# Altium PCB STM32F103_DEV.PcbDoc
Units mm, origin at the board's own origin, x right, y up, seen from the top; angles counter-clockwise.
Board outline 87.1 x 86.1 mm, 2 copper layers (Top Layer, Bottom Layer); 127 components, 89 nets, 421 pads, 136 vias.
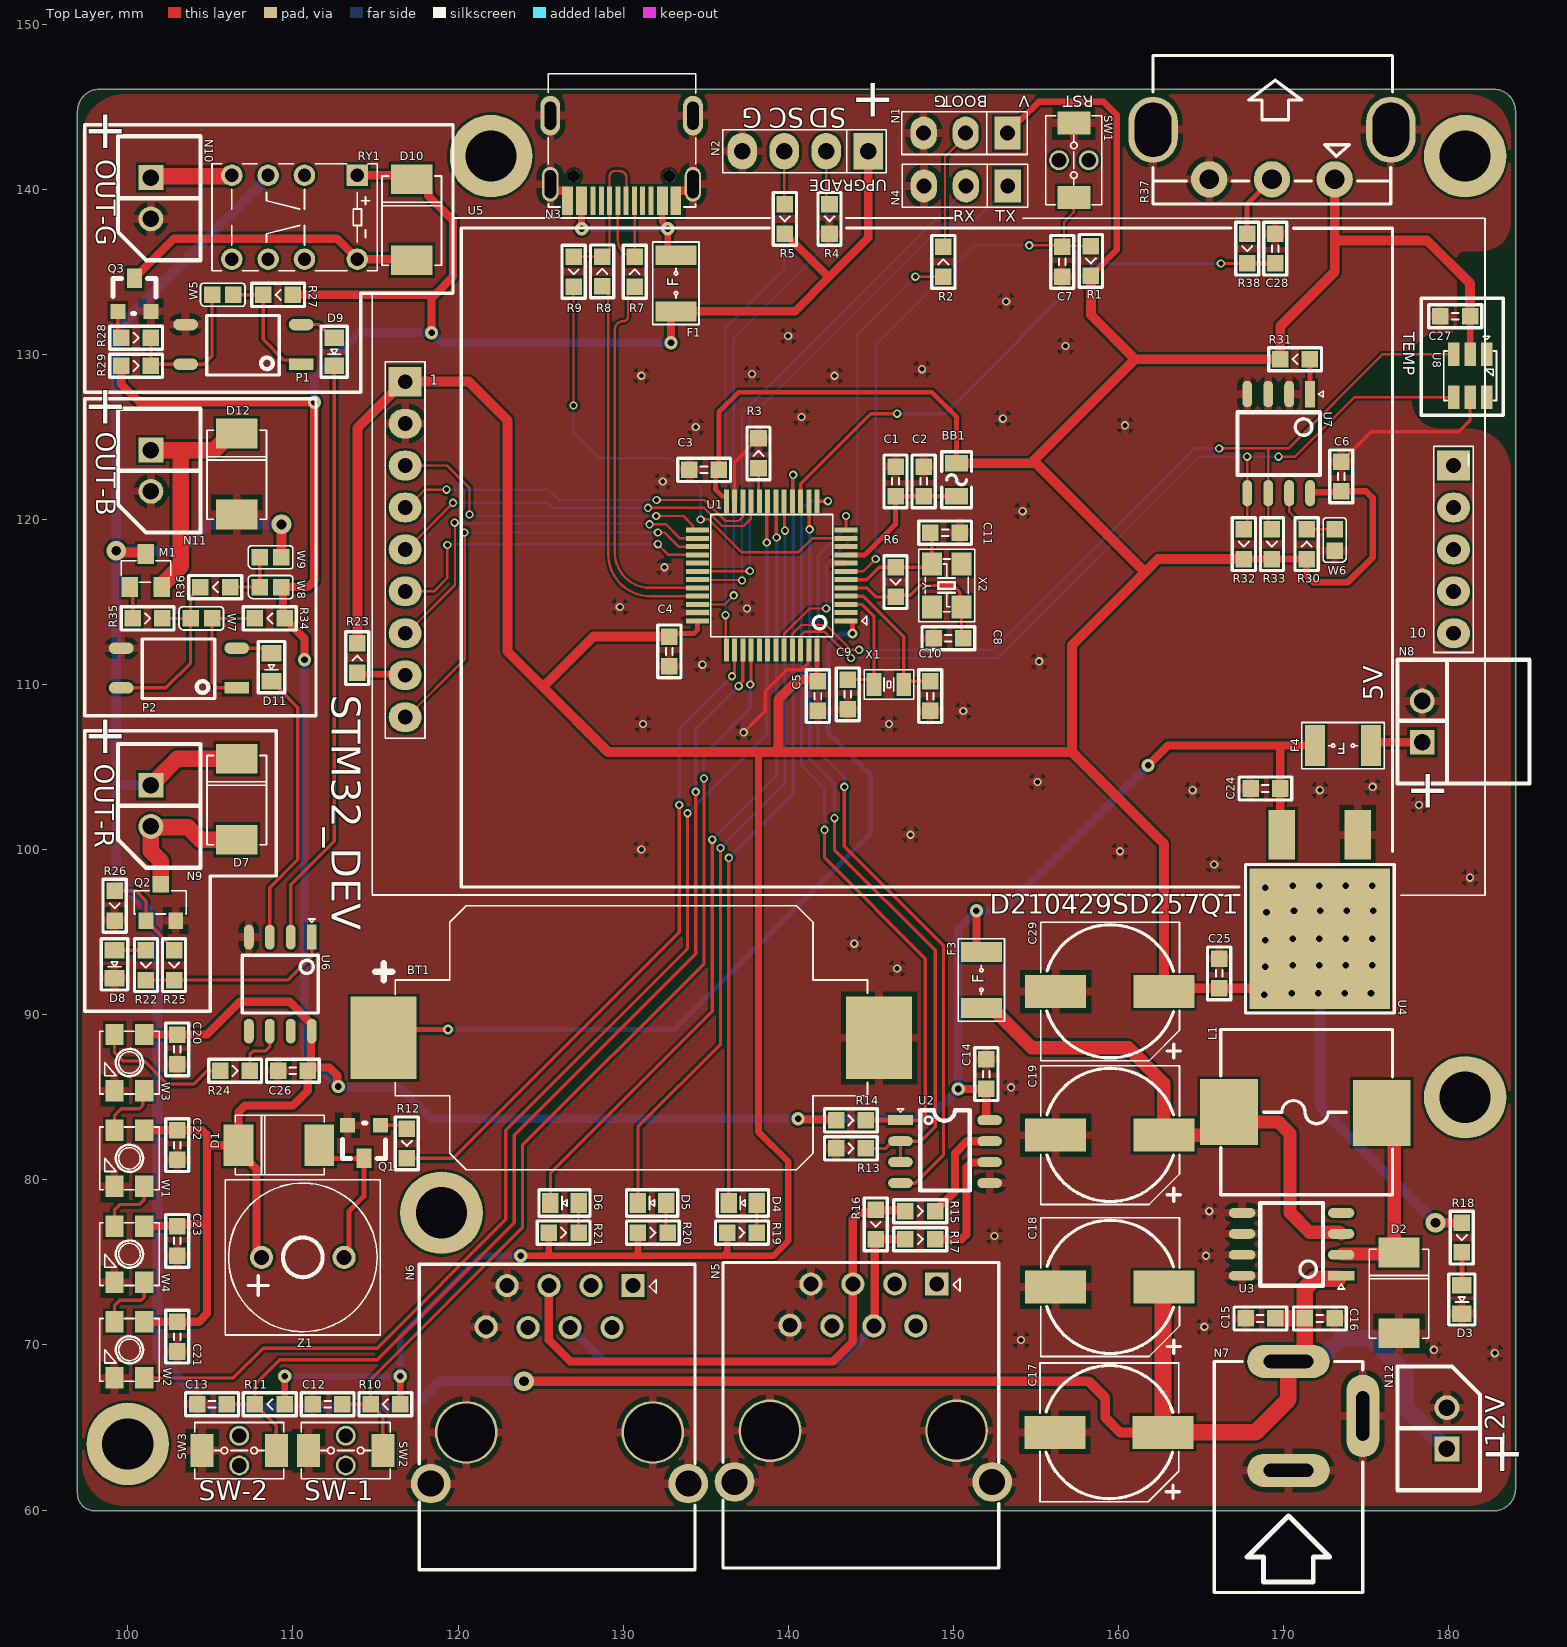
[diagram p0: Top Layer view]
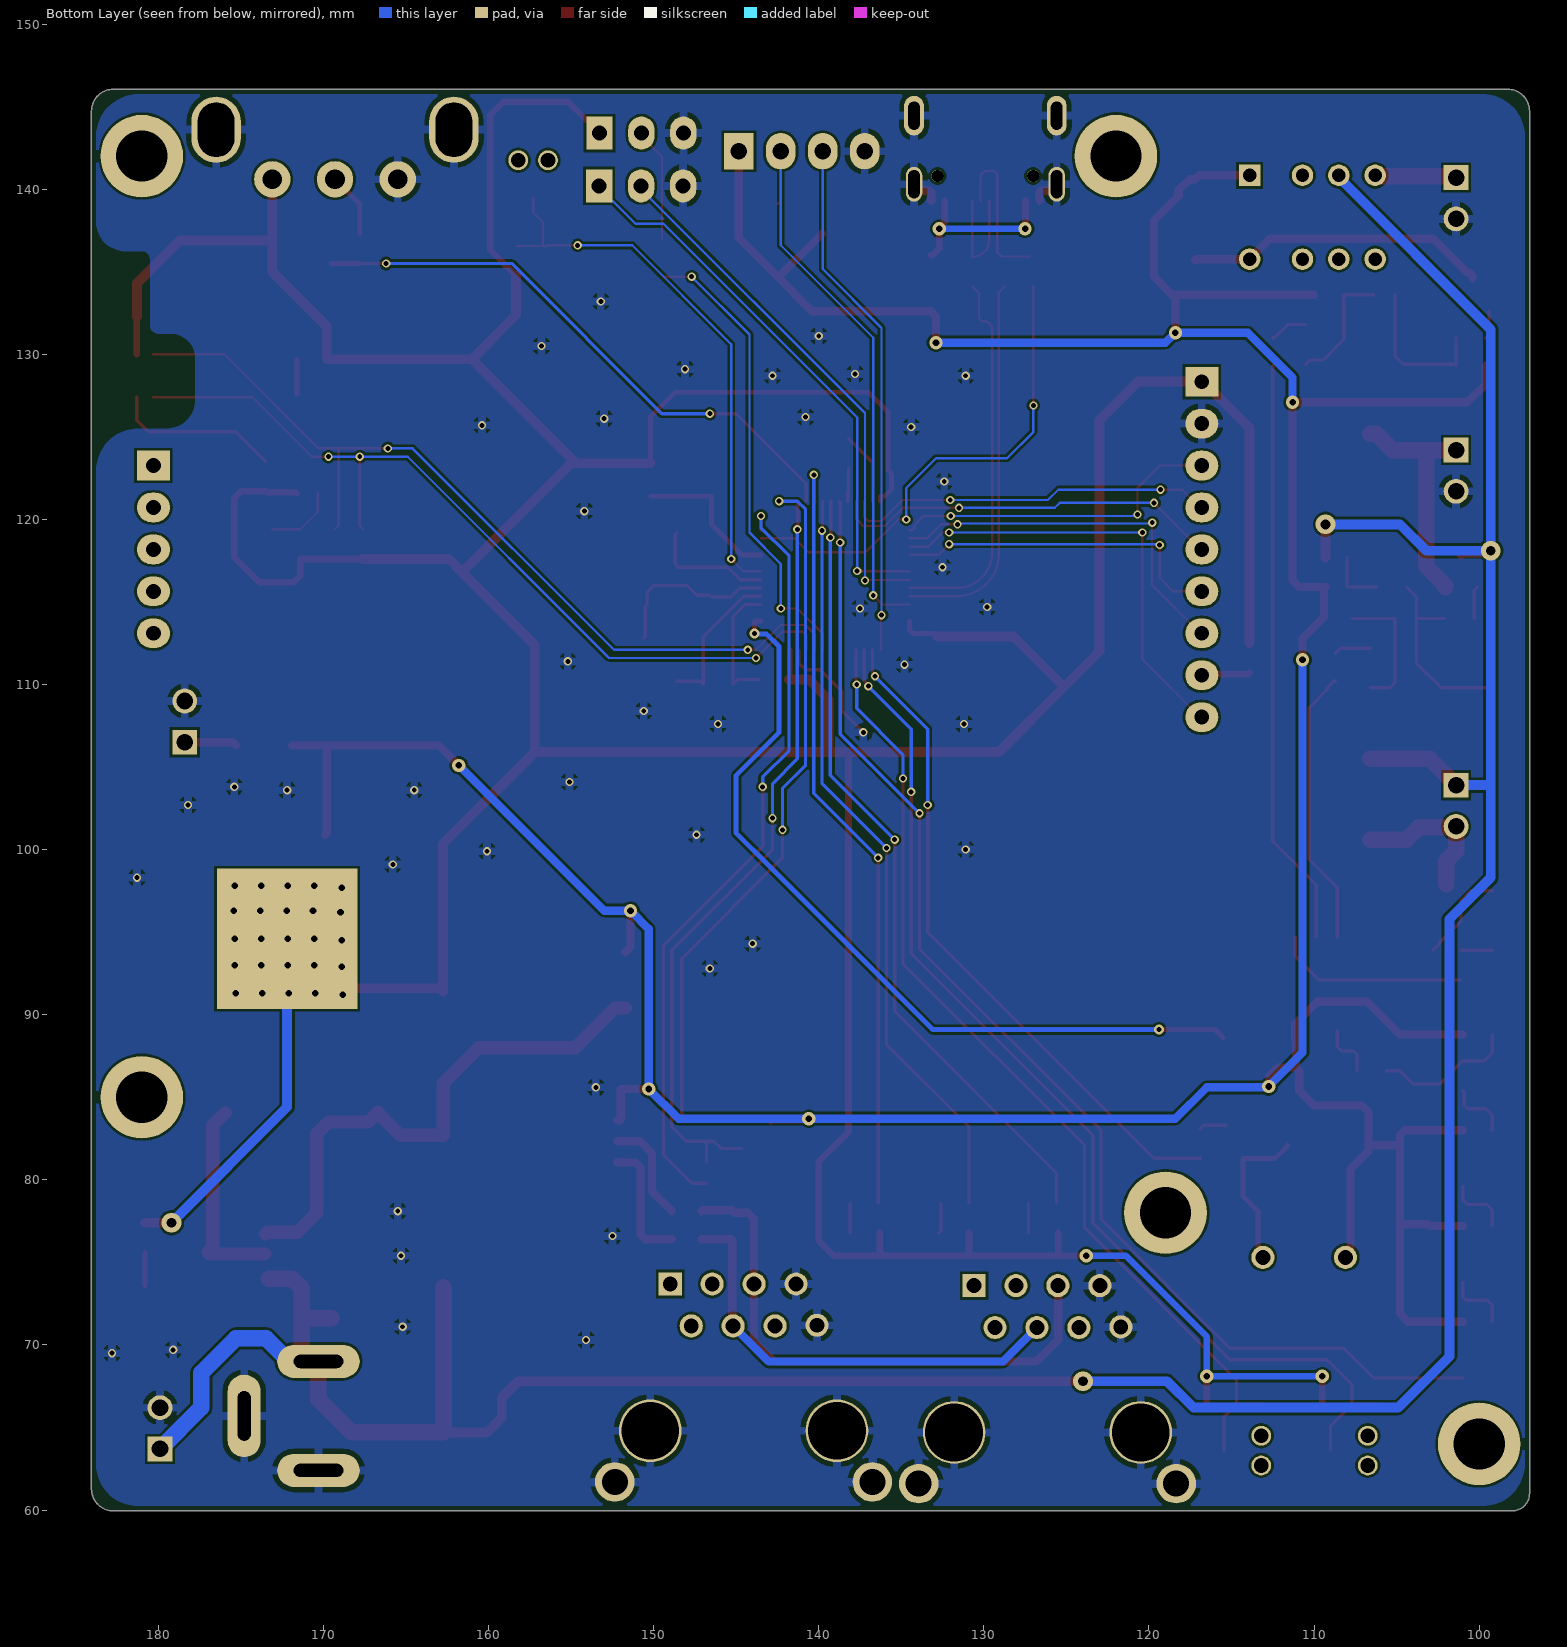
[diagram p1: Bottom Layer view, seen from below]
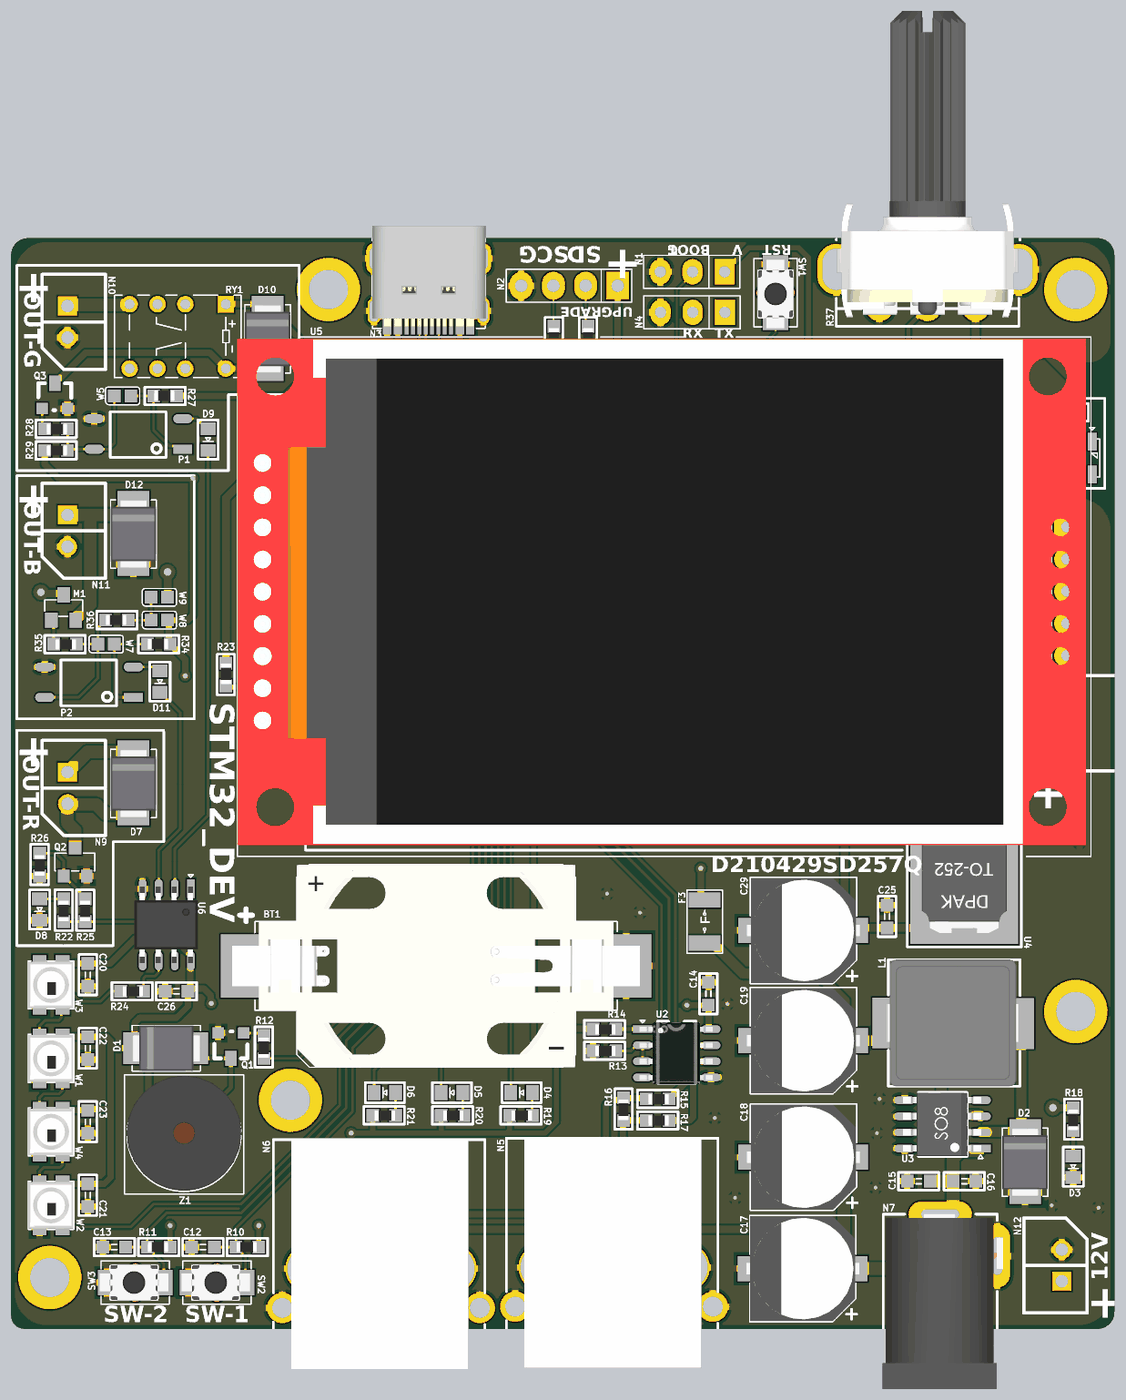
[diagram p2: 3D render of the assembled board from above, using the file's embedded part models]

## Layer stack, top to bottom
Top Solder: solder mask 0.0102, Solder Resist, Dk 3.5
Top Layer: signal copper 0.0356
Dielectric 1: dielectric 0.32, FR-4, Dk 4.8
Bottom Layer: signal copper 0.0356
Bottom Solder: solder mask 0.0102, Solder Resist, Dk 3.5

## Board outline
96.95,61 ccw(c98,61) 98,59.95 182.73,59.95 ccw(c182.73,61.27) 184.05,61.27 184.05,144.73 ccw(c182.73,144.73) 182.73,146.05 98.27,146.05 ccw(c98.27,144.73) 96.95,144.73

## Design rules (kind name [scope] priority, off if disabled: settings)
Clearance [All] p1: gap=0.15 ignorepadtopadclearanceinfootprint=FALSE
HoleSize [All] p1: absolutevalues=TRUE maxlimit=9 minlimit=0.025 maxpercent=80.000 minpercent=20.000
HoleToHoleClearance [All] p1: gap=0 allowstackedmicrovias=TRUE
MinimumSolderMaskSliver [All] p1: minsoldermaskwidth=0
PolygonConnect [All] p1: connectstyle=Relief reliefconductorwidth=0.5 reliefentries=4 polygonreliefangle="90 Angle" airgapwidth=0.3
RoutingVias [All] p1: holewidth=0.711 width=1.27 viastyle="Through Hole" minholewidth=0 minwidth=0 maxholewidth=9 maxwidth=9
SilkToSilkClearance [All] p1: silktosilkclearance=0
SilkToSolderMaskClearance [IsPad] p1: minsilkscreentomaskgap=0 clearancetoexposedcopper=TRUE
SolderMaskExpansion [All] p1: expansion=0.102 istentingtop=FALSE
Width [All] p1: maxlimit=5 minlimit=0.1 preferedwidth=0.254
25 further rules are at their usual default settings.

## Classes and differential pairs
component class Other: C26 C27 C28 D7 D8 D9 D10 D11 D12 M1 N9 N10 N11 P1 P2 Q2 Q3 R22 R23 R24 R25 R26 R27 R28 R29 R30 R31 R32 R33 R34 R35 R36 R37 R38 RY1 U5 U6 U7 U8 W5 W6 W7 W8 W9
component class main: BB1 BT1 C1 C2 C3 C4 C5 C6 C7 C8 C9 C10 C11 C12 C13 C14 C15 C16 C17 C18 C19 C20 C21 C22 C23 C24 C25 C29 D1 D2 D3 D4 D5 D6 F1 F3 F4 L1 N1 N2 N3 N4 N5 N6 N7 N8 N12 Q1 R1 R2 R3 R4 R5 R6 R7 R8 R9 R10 R11 R12 R13 R14 R15 R16 R17 R18 R19 R20 R21 SW1 SW2 SW3 U1 U2 U3 U4 W1 W2 W3 W4 X1 X2 Z1

## Components (designator, comment, footprint, x,y, rotation, side; value= is the part's Value field where it differs from the comment)
BB1 "BEAD" 2012-L 150.2,122.4 r0 top
BT1 "Battery" CR2032_SMD 130.5,88.6 r180 top locked
C1 "Chip Capacitor" 1608-C 146.5,121.4 r180 top
C2 "Chip Capacitor" 1608-C 148.2,123.2 r0 top
C3 "Chip Capacitor" 1608-C 135.8,123 r270 top
C4 "Chip Capacitor" 1608-C 132.8,112.9 r0 top
C5 "Chip Capacitor" 1608-C 141.8,110.2 r0 top
C6 "Chip Capacitor" 1608-C 173.5,123.5 r0 top
C7 "Chip Capacitor" 1608-C 156.6,136.5 r0 top
C8 "Chip Capacitor" 1608-C 150.6,112.8 r270 top
C9 "Chip Capacitor" 1608-C 143.6,108.5 r180 top
C10 "Chip Capacitor" 1608-C 148.6,108.4 r180 top
C11 "Chip Capacitor" 1608-C 148.6,119.2 r90 top
C12 "Chip Capacitor" 1608-C 113,66.4 r270 top
C13 "Chip Capacitor" 1608-C 106,66.4 r270 top
C14 "Chip Capacitor" 1608-C 152,85.5 r180 top
C15 "Chip Capacitor" 1608-C 167.7,71.6 r90 top
C16 "Chip Capacitor" 1608-C 173.1,71.6 r270 top
C17 "Capacitor" CAP_8X10 159.45,64.7 r180 top
C18 "Capacitor" CAP_8X10 159.5,73.5 r180 top
C19 "Capacitor" CAP_8X10 159.5,82.7 r180 top
C20 "Chip Capacitor" 1608-C 103,87 r180 top
C21 "Chip Capacitor" 1608-C 103,69.6 r180 top
C22 "Chip Capacitor" 1608-C 103,81.2 r180 top
C23 "Chip Capacitor" 1608-C 103,75.4 r180 top
C24 "Chip Capacitor" 1608-C 168,103.7 r90 top
C25 "Chip Capacitor" 1608-C 166.1,93.4 r0 top
C26 "Chip Capacitor" 1608-C 110.9,86.6 r270 top
C27 "Chip Capacitor" 1608-C 179.5,132.3 r90 top
C28 "Chip Capacitor" 1608-C 169.5,135.5 r180 top
C29 "Capacitor" CAP_8X10 159.5,91.4 r180 top
D1 "DIODE" SS34 109.2,82.1 r180 top
D2 "DIODE" SS34 177,73.1 r90 top
D3 "Chip LED" 1608-LED 180.8,71.8 r180 top
D4 "LED" 1608-LED 136.3,78.6 r90 top
D5 "Chip LED" 1608-LED 130.8,78.6 r90 top
D6 "Chip LED" 1608-LED 125.5,78.6 r90 top
D7 "DIODE" SS34 106.6,103 r90 top
D8 "LED" 1608-LED 99.2,92.1 r180 top
D9 "Chip LED" 1608-LED 112.5,129.2 r180 top
D10 "DIODE" SS34 117.2,138.1 r90 top
D11 "Chip LED" 1608-LED 108.7,110.1 r180 top
D12 "DIODE" SS34 106.6,122.7 r90 top
F1 "Chip Fuse" CCP2E30 133.2,134.3 r90 top
F3 "Chip Fuse" CCP2E30 151.7,92.1 r90 top
F4 "Chip Fuse" CCP2E30 173.6,106.3 r180 top
L1 "IND1" inductor_10x40 171.4,84.1 r180 top
M1 "MOSPET-P" Micro3 101.1,116.9 r0 top
N1 "Connector" jumper3 153.28,143.4 r180 top
N2 "Connector" jumper4 144.84,142.3 r180 top
N3 "USB-C type" USB_C_2.0 134.23,140.3 r180 top
N4 "Conector" jumper3 153.3,140.2 r180 top
N5 "RJ45" RJ45-PCB830 144.55,73.69 r180 top
N6 "RJ45" RJ45-PCB830 126.15,73.59 r180 top
N7 "" "DC JACK_3.5pi - duplicate" 170.3,69 r90 top
N8 "CONNECTOR" 5268-02 178.4,106.5 r90 top
N9 "CONNECTOR" 5267-02 101.4,103.9 r270 top
N10 "CONNECTOR" 5267-02 101.4,140.7 r270 top
N11 "CONNECTOR" 5267-02 101.4,124.2 r270 top
N12 "CONNECTOR" 5267-02 179.9,63.7 r90 top
P1 "Photo_Coupler" TLP181 107,130.5 r90 top
P2 "Photo_Coupler" TLP181 103.1,110.9 r90 top
Q1 "NPN TR" SOT-23TR 115.3,83.3 r180 top
Q2 "N_FET" SOT_23_BIG 102,96.8 r0 top
Q3 "NPN TR" SOT-23TR 99.4,132.6 r0 top
R1 "Chip Resistor" 1608-R 158.331,134.758 r180 top value=10KΩ
R2 "Chip Resistor" 1608-R 149.4,136.5 r0 top value=10KΩ
R3 "Chip Resistor" 1608-R 138.2,124.9 r0 top value=10KΩ
R4 "Chip Resistor" 1608-R 142.5,137.3 r180 top value=10KΩ
R5 "Chip Resistor" 1608-R 139.8,137.3 r180 top value=10KΩ
R6 "Chip Resistor" 1608-R 146.5,115.3 r180 top value=10KΩ
R7 "Chip Resistor" 1608-R 130.7,135.9 r0 top value=10KΩ
R8 "Chip Resistor" 1608-R 128.729,135.92 r0 top value=10KΩ
R9 "Chip Resistor" 1608-R 127,134.1 r180 top value=10KΩ
R10 "Chip Resistor" 1608-R 114.7,66.4 r90 top
R11 "Chip Resistor" 1608-R 107.7,66.4 r90 top
R12 "Chip Resistor" 1608-R 116.9,81.3 r180 top
R13 "Chip Resistor" 1608-R 144.7,81.9 r270 top
R14 "Chip Resistor" 1608-R 144.7,83.6 r270 top
R15 "Chip Resistor" 1608-R 148.9,78.1 r270 top value=10KΩ
R16 "Chip Resistor" 1608-R 145.3,76.4 r180 top value=10KΩ
R17 "Chip Resistor" 1608-R 148.9,76.4 r270 top value=10KΩ
R18 "Chip Resistor" 1608-R 180.8,75.6 r180 top
R19 "Chip Resistor" 1608-R 138.1,76.8 r270 top
R20 "Chip Resistor" 1608-R 132.7,76.8 r270 top
R21 "Chip Resistor" 1608-R 127.3,76.8 r270 top
R22 "Chip Resistor" 1608-R 101.1,92.1 r180 top
R23 "Chip Resistor" 1608-R 113.9,112.5 r0 top
R24 "Chip Resistor" 1608-R 107.4,86.6 r270 top value=10KΩ
R25 "Chip Resistor" 1608-R 102.8,92.1 r180 top
R26 "Chip Resistor" 1608-R 99.2,95.7 r180 top
R27 "Chip Resistor" 1608-R 108.2,133.6 r90 top
R28 "Chip Resistor" 1608-R 101.4,131 r270 top
R29 "Chip Resistor" 1608-R 101.4,129.3 r270 top
R30 "Chip Resistor" 1608-R 171.4,119.4 r0 top
R31 "Chip Resistor" 1608-R 169.8,129.7 r90 top
R32 "Chip Resistor" 1608-R 167.6,117.6 r180 top
R33 "Chip Resistor" 1608-R 169.3,117.6 r180 top
R34 "Chip Resistor" 1608-R 107.7,114 r90 top
R35 "Chip Resistor" 1608-R 102.1,114 r270 top
R36 "Chip Resistor" 1608-R 104.4,115.9 r90 top
R37 "10K" RES_POT_RV12V-15RS 169.5,144.2 r0 top
R38 "Chip Resistor" 1608-R 167.8,135.5 r180 top value=10KΩ
RY1 "Relay" RELAY_BC1 113.9,138.3 r270 top
SW1 "Switch" TACT_Micro 157.3,141.75 r270 top
SW2 "Switch" TACT_Micro 113.2,63.6 r180 top
SW3 "Switch" TACT_Micro 106.75,63.6 r180 top
U1 "MCU" LQFP-48 139,116.6 r90 top locked
U2 "Driver" SO-8 149.5,81.81 r0 top
U3 "Buck Converter" SOIC-8 170.5,76.1 r180 top
U4 "Regulator" D-PAK_TO252 174.5,100.9 r90 top
U5 "TFT LCD" LCD_TFT_2.2 116.8,128.34 r0 top
U6 "Driver" SOP-08_mini 111.14,94.95 r270 top
U7 "AT24C64" SOIC-8 169.7,124.6 r270 top
U8 "Sensor" AHT-20 181.3,128.7 r270 top
W1 "LED" "WS2812B _Mini" 100.1,81.3 r270 top
W2 "LED" "WS2812B _Mini" 100.1,69.7 r270 top
W3 "LED" "WS2812B _Mini" 100.1,87.1 r270 top
W4 "LED" "WS2812B _Mini" 100.1,75.5 r270 top
W5 "Jumper" jp 105.7,133.6 r180 top
W6 "Jumper" jp 173.1,118.7 r270 top
W7 "Jumper" jp 104.4,114 r180 top
W8 "Jumper" jp 108.6,115.9 r180 top
W9 "Jumper" jp 108.6,117.7 r180 top
X1 "32.768MHz" XTAL_2012 146.1,110 r0 top
X2 "CRYSTAL" XTAL3225 149.6,116 r90 top
Z1 "BUZZER 3.3v" BUZZER_9MM 110.6,75.3 r0 top

## Footprints (in the part's own frame and the unit in brackets; to place one, negate y for a bottom-side part, rotate by r counter-clockwise, add the part's x,y. Pads: shape width x height; smd on the part's side, far side on the other; paste and mask are expansions set on the pad)
1608-C [mm]
  rect 1x1 smd: 1(0,0) 2(0,-1.8)
  silkscreen extent -0.7,-2.5 0.7,0.7, body extent -0.4,-1.7 0.4,-0.1, height 0.8
1608-LED [mm]
  rect 1.2x1 smd: 1(0,-1.8) 2(0,-0.1)
  silkscreen extent -0.8,-2.5 0.8,0.6, body extent -0.4,-1.8 0.4,-0.1, height 1
1608-R [mm]
  rect 1x1 smd: 1(0,0) 2(0,-1.8)
  silkscreen extent -0.7,-2.5 0.7,0.7, body extent -0.39,-1.64 0.41,-0.04, height 0.45
2012-L [mm]
  rect 1.4x1 smd: 1(0,1) 2(0,-1)
  silkscreen extent -0.9,-1.7 0.9,1.7, body extent -0.6,-1 0.6,1, height 1
5267-02 [mm]
  rect 1.5x1.5 hole 1: 1(0,0)
  round 1.5 hole 1: 2(2.5,0)
  silkscreen extent -2.5,-2 5,3, body extent -2.5,-2 5,3, height 5.9
5268-02 [mm]
  rect 1.5x1.5 hole 1: 1(0,0)
  round 1.5 hole 1: 2(2.5,0)
  silkscreen extent -2.5,-6.5 5,1.5, body extent -2.55,-6.6 5.1,1.5, height 5
AHT-20 [mm]
  rect 1.4x0.7 smd: 1(-1.3,1) 2(-1.3,0) 3(-1.3,-1) 4(1.3,-1) 5(1.3,0) 6(1.3,1)
  silkscreen extent -2.4,-1.6 1.5,1.6
BUZZER_9MM [mm]
  round 1.4 hole 0.9: 1(-2.5,0) 2(2.5,0)
  silkscreen extent -4.7,-4.7 4.7,4.7, body extent -4.55,-4.45 4.55,4.65, height 5.6
CAP_8X10 [mm]
  rect 3.7x2 smd: 1(-3.25,0) 2(3.3,0)
  silkscreen extent -4.25,-4.2 4.2,4.2, body extent -4.45,-4.15 4.45,4.15, height 10
CCP2E30 [mm] "칩퓨즈, 3216사이즈 칩퓨즈, 3A짜리"
  rect 1.2x2.5 smd: 1(-1.7,0) 2(1.7,0)
  silkscreen extent -2.5,-1.4 2.5,1.4, body extent -1.6,-1.25 1.6,1.25, height 2
CR2032_SMD [mm]
  rect 4x5 smd: 1(15,0) 2(-15,0)
  silkscreen extent -14.3,-8 15.5,8, body extent -16.1,-8 16.1,8, height 5.6
D-PAK_TO252 [mm]
  rect 3x1.6 smd: 1(0,0) 3(0,4.6)
  rect 8.5x8.5 smd mask+0.102: 2(-6.3,2.3)
  rect 8.5x8.5 smd far side mask+0.102: 2(-6.3,2.3)
  silkscreen extent -10.8,-2.2 -1.8,6.8, body extent -9.7,-1.07 0.4,5.67, height 2.37
"DC JACK_3.5pi - duplicate" [mm]
  oval 2x5 hole 0.8 slot 3 at 90 deg: 1(0,0) 3(-6.6,0)
  oval 5x2 hole 0.8 slot 3 at 0 deg: 2(-3.3,-4.5)
  silkscreen extent -14,-4.5 0,4.5, body extent -13.8,-4.96 0.03,4.55, height 11
inductor_10x40 [mm]
  rect 3.5x4 smd: 1(-4.55,0.05) 2(4.7,0)
  silkscreen extent -5.2,-5 5.2,5, body extent -5.1,-5 5.3,5, height 3.9
jp [mm]
  rect 1x1 smd: 1(-0.7,0) 2(0.6,0)
  silkscreen extent -1.4,-0.7 1.3,0.7
jumper3 [mm]
  rect 1.6x2 hole 0.9 mask+0.1: 1(0,0)
  oval 1.6x2 hole 0.9 mask+0.1: 2(2.54,0) 3(5.08,0)
  silkscreen extent -1.2,-1.3 6.4,1.3, body extent -1.24,-1.31 6.4,1.3, height 8
jumper4 [mm]
  rect 1.8x2.2 hole 1 mask+0.1: 1(0,0)
  oval 1.8x2.2 hole 1 mask+0.1: 2(2.54,0) 3(5.08,0) 4(7.62,0)
  silkscreen extent -1.1,-1.3 8.8,1.3, body extent -1.28,-1.3 8.89,1.3, height 10
LCD_TFT_2.2 [mm] "아두이노 2.2인치 SPI TFT LCD 모듈 2.2 INCH SPI TFT LCD"
  rect 2x1.8 hole 0.9: 1(0,0) 14(63.5,-5.08)
  oval 2x1.8 hole 0.9: 2(0,-2.54) 3(0,-5.08) 4(0,-7.62) 5(0,-10.16) 6(0,-12.7) 7(0,-15.24) 8(0,-17.78) 9(0,-20.32) 10(63.5,-15.24) 11(63.5,-12.7) 12(63.5,-10.16) 13(63.5,-7.62)
  silkscreen extent -2,-31.1 65.4,9.9, body extent -2,-30.2 65,9.8, height 17.2
LQFP-48 [mm]
  rect 0.3x1.4 smd: 1(-2.75,-4.5) 2(-2.25,-4.5) 3(-1.75,-4.5) 4(-1.25,-4.5) 5(-0.75,-4.5) 6(-0.25,-4.5) 7(0.25,-4.5) 8(0.75,-4.5) 9(1.25,-4.5) 10(1.75,-4.5) 11(2.25,-4.5) 12(2.75,-4.5) 25(2.75,4.5) 26(2.25,4.5) 27(1.75,4.5) 28(1.25,4.5) 29(0.75,4.5) 30(0.25,4.5) 31(-0.25,4.5) 32(-0.75,4.5) 33(-1.25,4.5) 34(-1.75,4.5) 35(-2.25,4.5) 36(-2.75,4.5)
  rect 1.4x0.3 smd: 13(4.5,-2.75) 14(4.5,-2.25) 15(4.5,-1.75) 16(4.5,-1.25) 17(4.5,-0.75) 18(4.5,-0.25) 19(4.5,0.25) 20(4.5,0.75) 21(4.5,1.25) 22(4.5,1.75) 23(4.5,2.25) 24(4.5,2.75) 37(-4.5,2.75) 38(-4.5,2.25) 39(-4.5,1.75) 40(-4.5,1.25) 41(-4.5,0.75) 42(-4.5,0.25) 43(-4.5,-0.25) 44(-4.5,-0.75) 45(-4.5,-1.25) 46(-4.5,-1.75) 47(-4.5,-2.25) 48(-4.5,-2.75)
  silkscreen extent -3.7,-5.75 3.7,3.7, body extent -4.5,-4.5 4.5,4.5, height 1.6
Micro3 [mm]
  rect 1x1.2 smd: 1(-0.98,-1) 2(0.95,-1) 3(0,1)
  silkscreen extent -1.5,-0.7 1.5,0.6, body extent -1.5,-1.09 1.5,1.11, height 1
RELAY_BC1 [mm]
  rect 1.3x1.3 hole 0.8: 1(-2.54,0)
  round 1.3 hole 0.8: 2(-2.54,-3.2) 3(-2.54,-5.4) 4(-2.54,-7.6) 5(2.54,-7.6) 6(2.54,-5.4) 7(2.54,-3.2) 8(2.54,0)
  silkscreen extent -3.25,-8.8 3.25,1.2, body extent -3.25,-8.8 3.25,1.2, height 5.4
RES_POT_RV12V-15RS [mm] "RV12V-15RS  / 10K"
  round 2.2 hole 1.2: 1(3.6,-3.6) 2(-0.2,-3.6) 3(-4,-3.6)
  oval 3x4 hole 2.2 slot 3.3 at 90 deg: 3(-7.4,-0.6) 3(7,-0.6)
  silkscreen extent -7.4,-5.1 7.1,3.9, body extent -7.35,-4.4 6.95,19.8, height 17.48
RJ45-PCB830 [mm] "RJ45잭 커넥터 8P8C,Rating: AC 125V 1.5A"
  rect 1.4x1.4 hole 0.9: 1(-4.445,0)
  round 1.4 hole 0.9: 2(-3.175,2.54) 3(-1.905,0) 4(-0.635,2.54) 5(0.635,0) 6(1.905,2.54) 7(3.175,0) 8(4.445,2.5)
  round 2.4 hole 1.58: 9(-7.8,11.99) 9(7.8,11.99)
  round 3.8 hole 3.5: 9(-5.65,8.89) 9(5.65,8.89)
  silkscreen extent -8.2,-1.3 8.5,17.2, body extent -6.88,-1.22 7.08,16.82, height 12.97
SO-8 [mm]
  rect 1.5x0.6 smd: 1(-2.7,1.8)
  oval 1.5x0.6 smd: 2(-2.7,0.53) 3(-2.7,-0.74) 4(-2.7,-2.01) 5(2.7,-2.01) 6(2.7,-0.74) 7(2.7,0.53) 8(2.7,1.8)
  silkscreen extent -2.9,-2.45 1.5,2.5, body extent -2.94,-2.55 2.84,2.35, height 1.45
SOIC-8 [mm]
  rect 1.6x0.6 smd: 1(-2.99,1.913)
  oval 1.6x0.6 smd: 2(-2.99,0.643) 3(-2.99,-0.627) 4(-2.99,-1.897) 5(3.01,-1.897) 6(3.01,-0.627) 7(3.01,0.643) 8(3.01,1.913)
  silkscreen extent -3.19,-2.49 1.91,2.71, body extent -3.05,-2.5 3.15,2.5, height 1.75
SOP-08_mini [mm]
  rect 1.5x0.6 smd: 1(0.25,0)
  oval 1.5x0.6 smd: 2(0.25,-1.27) 3(0.25,-2.54) 4(0.25,-3.81) 5(5.95,-3.81) 6(5.95,-2.54) 7(5.95,-1.27) 8(5.95,0)
  silkscreen extent -0.85,-4.2 4.85,0.4, body extent 0.08,-4.46 6.12,0.56, height 1.6
SOT-23TR [mm]
  rect 0.9x0.9 smd: 1(0,0) 3(2,0)
  rect 0.9x1.2 smd: 2(1,2)
  silkscreen extent -0.3,-0.13 2.3,2, body extent 0,0.2 2,1.6, height 1
SOT_23_BIG [mm]
  rect 0.9x1 smd: 1(-0.9,-1.1) 2(0.9,-1.1)
  rect 1x1 smd: 3(0,1.1)
  silkscreen extent -1.6,-0.7 1.55,0.7, body extent -1.5,-1.05 1.5,1, height 0.7
SS34 [mm]
  rect 1.8x2.5 smd: 1(-2.4,0) 2(2.5,0)
  silkscreen extent -2.7,-1.8 2.7,1.8, body extent -2.7,-1.8 2.7,1.8, height 2.3
TACT_Micro [mm]
  rect 1.4x2 smd: 1(-2.25,0) 2(2.25,0)
  round 1.2 hole 0.9: ""(0,0.9) ""(0,-0.9)
  silkscreen extent -2.7,-1.7 2.7,1.7, body extent -2.6,-1.45 2.8,1.45, height 2
TLP181 [mm] "PhotoCoupler"
  rect 0.7x1.5 smd: 1(-1.1,-3.5)
  oval 0.7x1.5 smd: 2(1.3,-3.5) 3(1.3,3.5) 4(-1.1,3.5)
  silkscreen extent -1.75,-2.17 1.85,2.23, body extent -1.8,-2.2 1.8,2.2, height 2.61
USB_C_2.0 [mm]
  oval 1x2.1 hole 0.7 slot 1.7 at 90 deg: A1(0,0) A1(8.64,0)
  oval 1.2x2.4 hole 0.7 slot 1.7 at 90 deg: A1(0,-4.15) A1(8.64,-4.15)